# Altium PCB TIDA-010056.PcbDoc (part 1 of 3)
Units mm, origin at the board's own origin, x right, y up, seen from the top; angles counter-clockwise.
Board outline 69 x 70 mm, 4 copper layers (Top Layer, GND, PWR, Bottom Layer), stack 1.605 mm thick; 152 components, 93 nets, 418 pads, 601 vias.
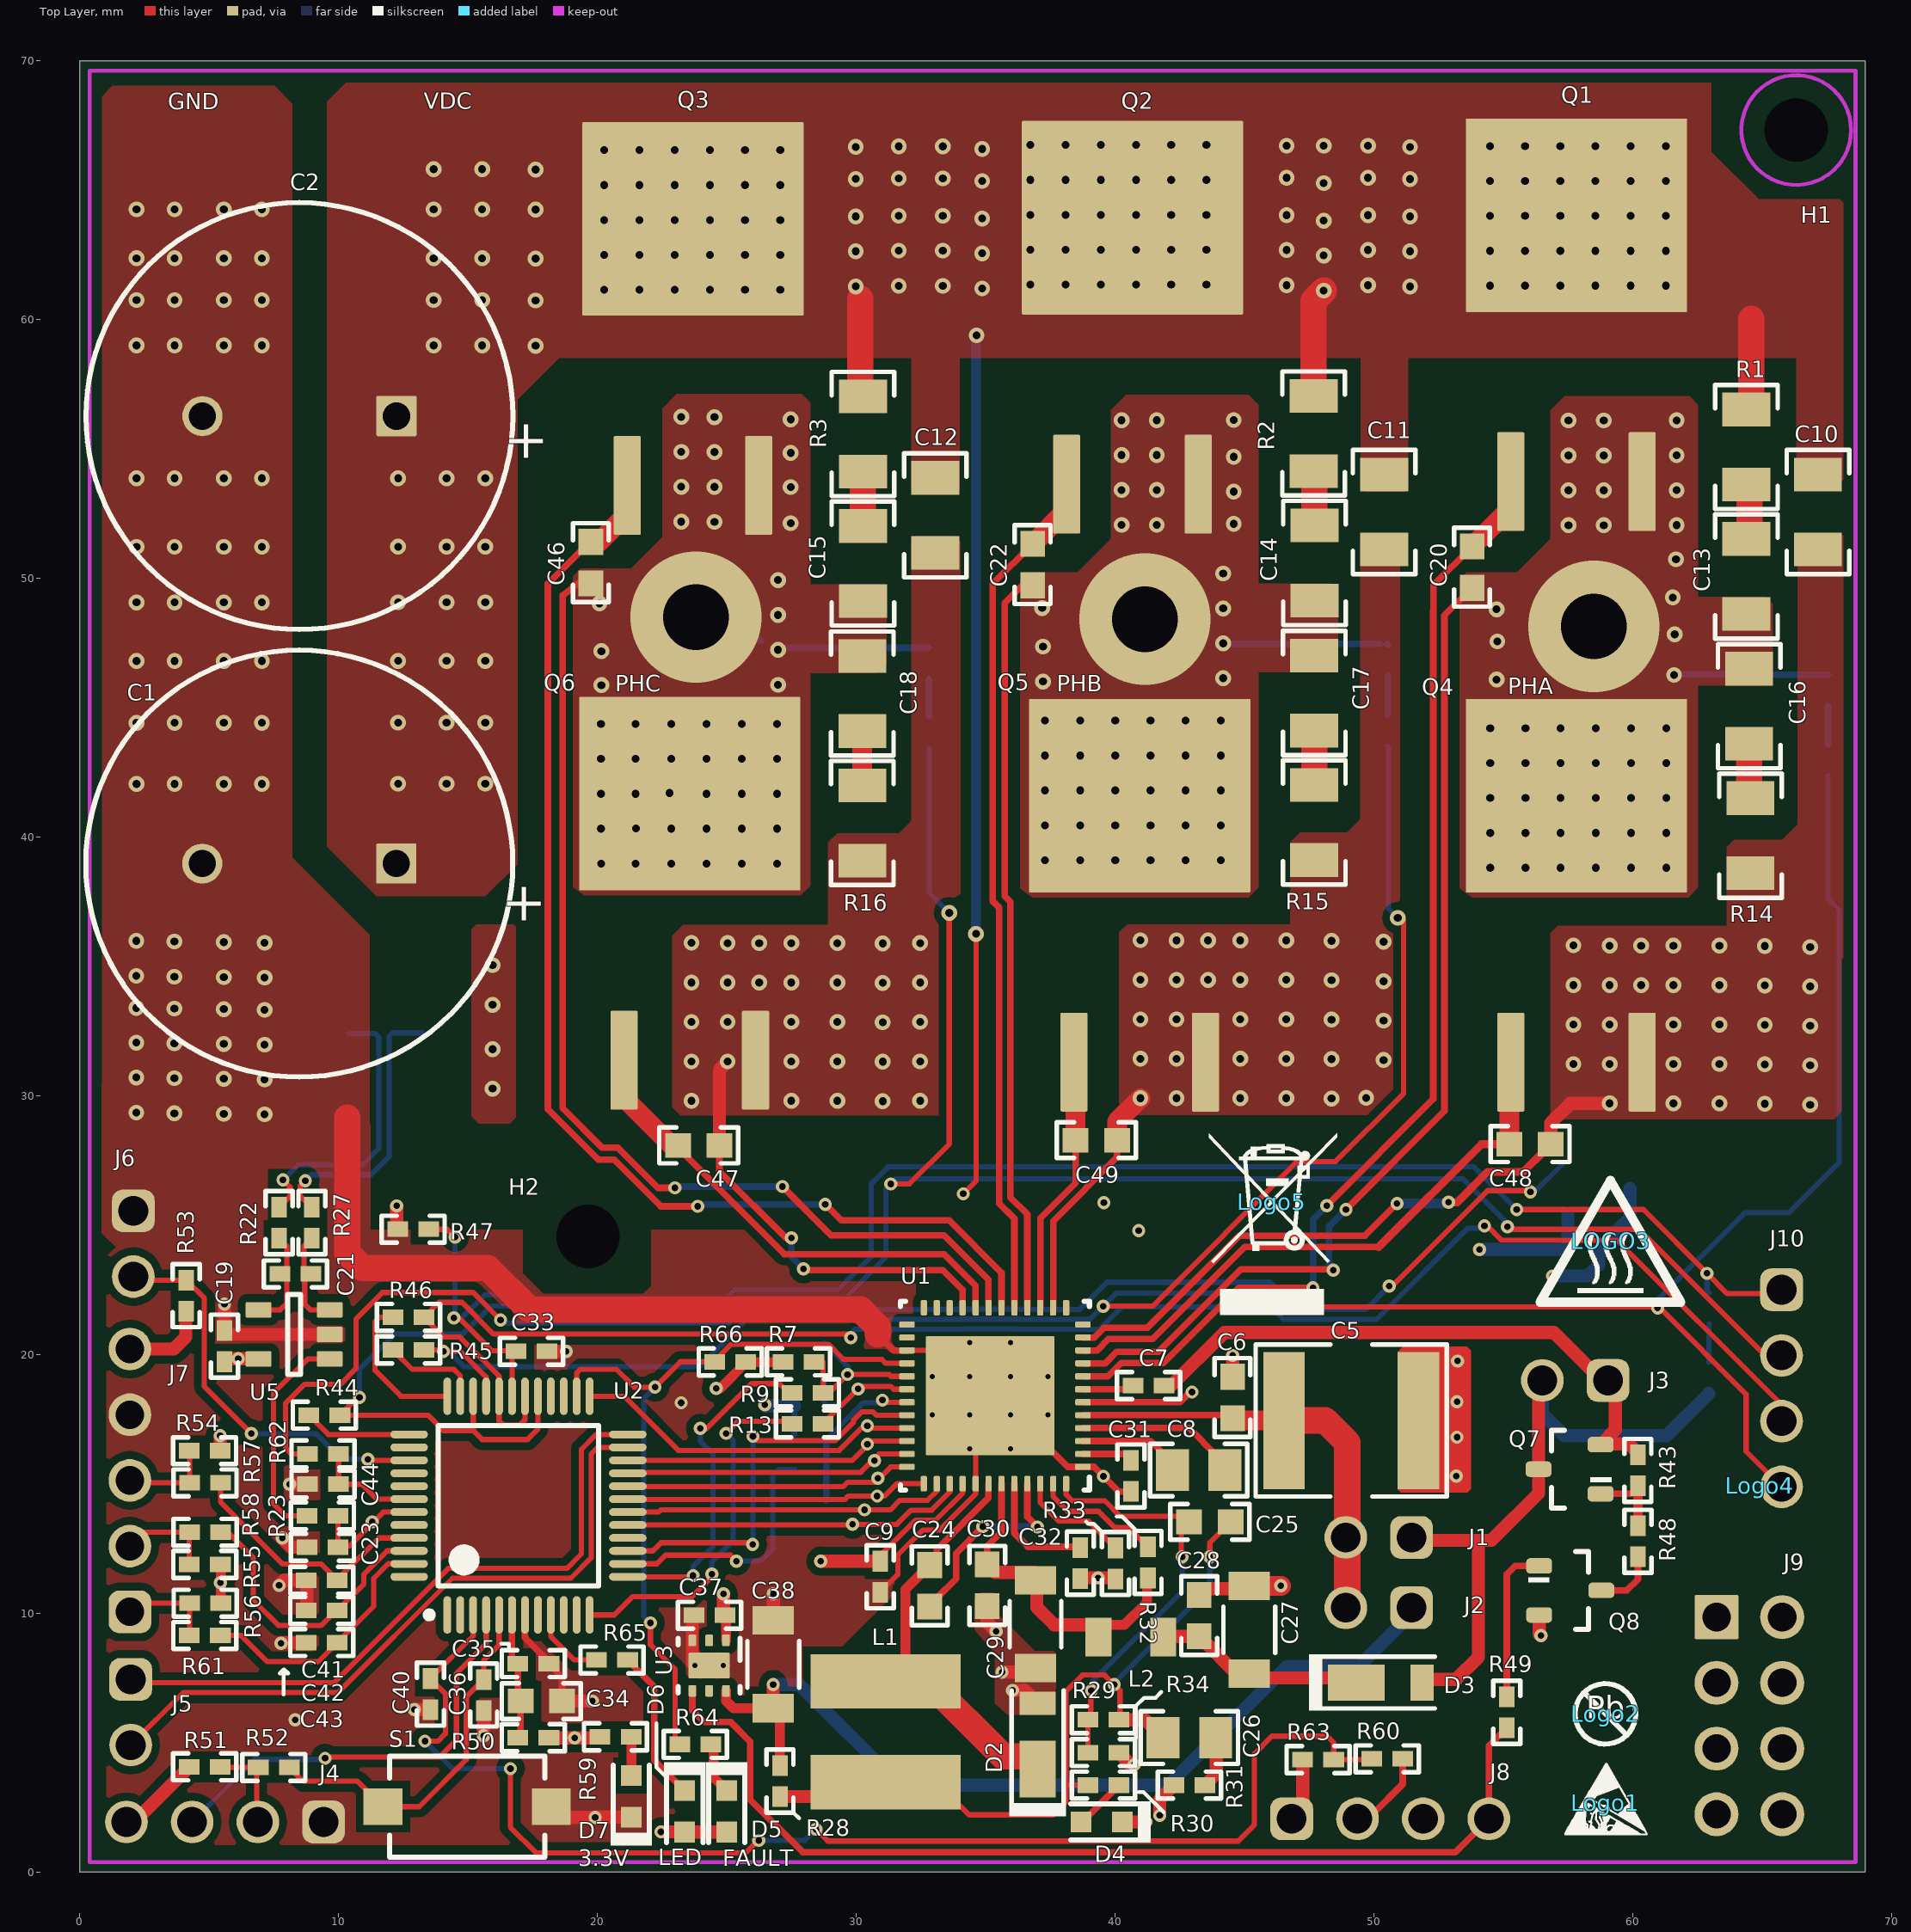
[diagram p0: Top Layer view]
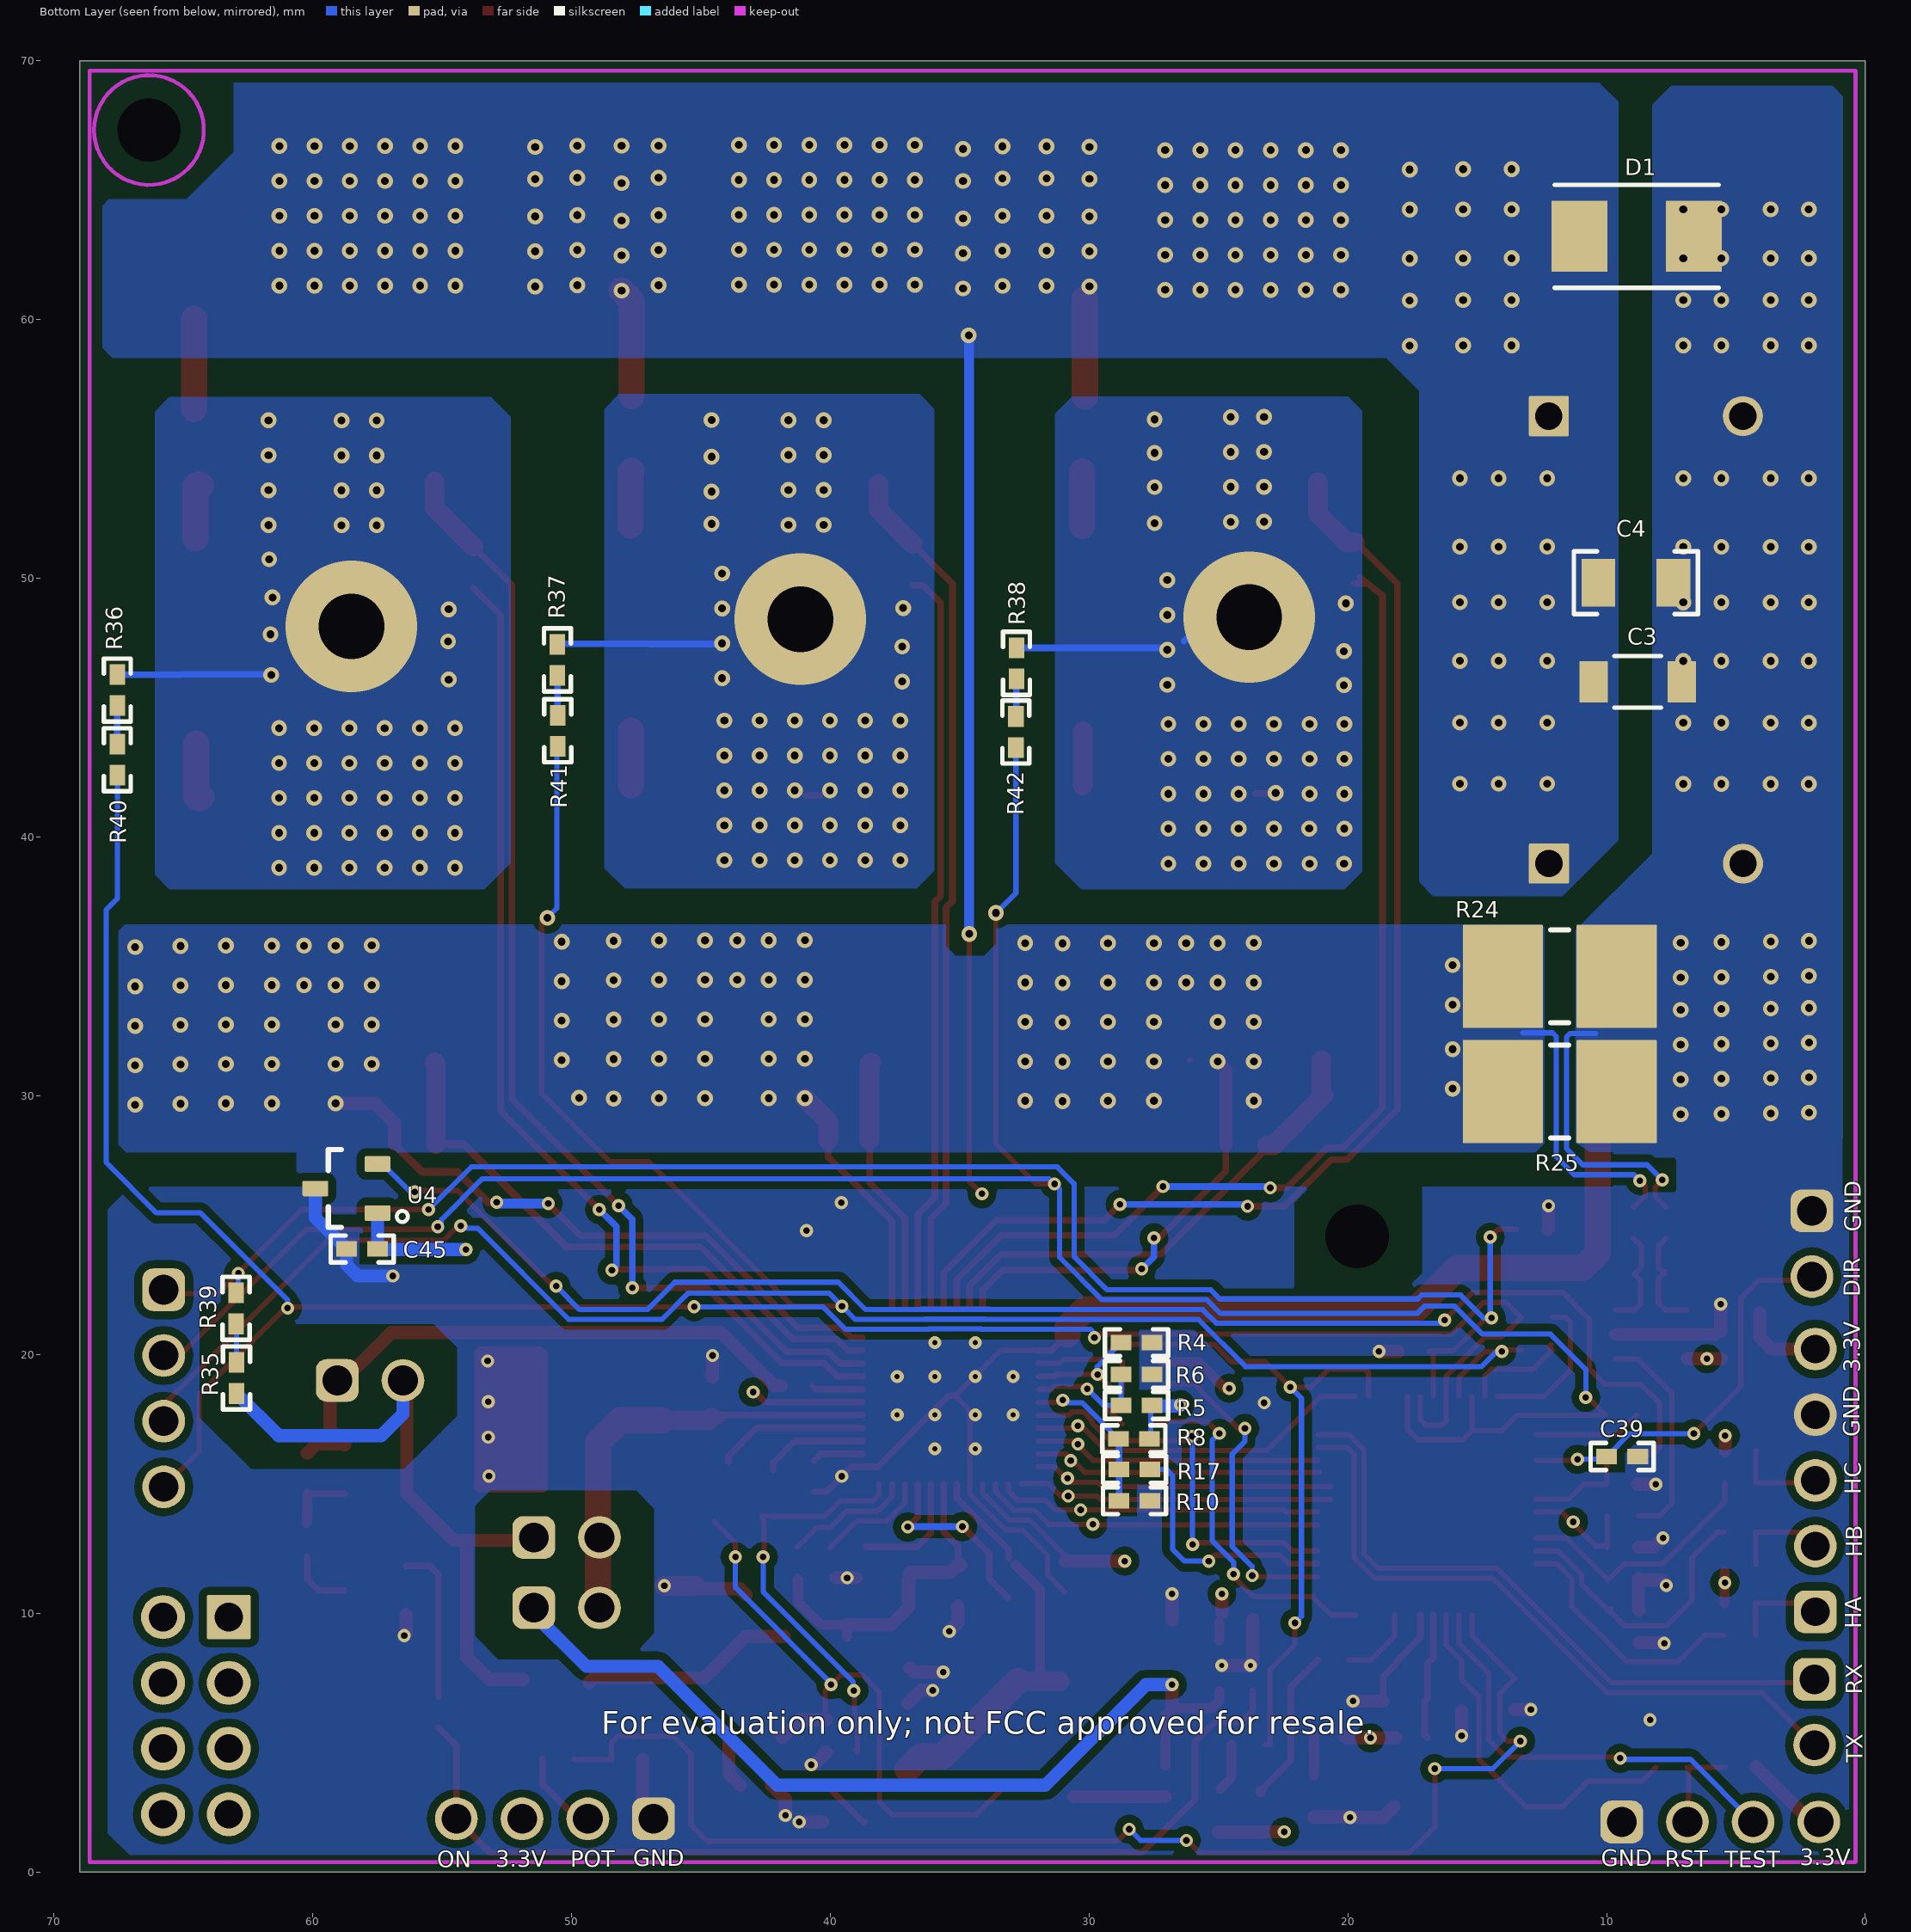
[diagram p1: Bottom Layer view, seen from below]
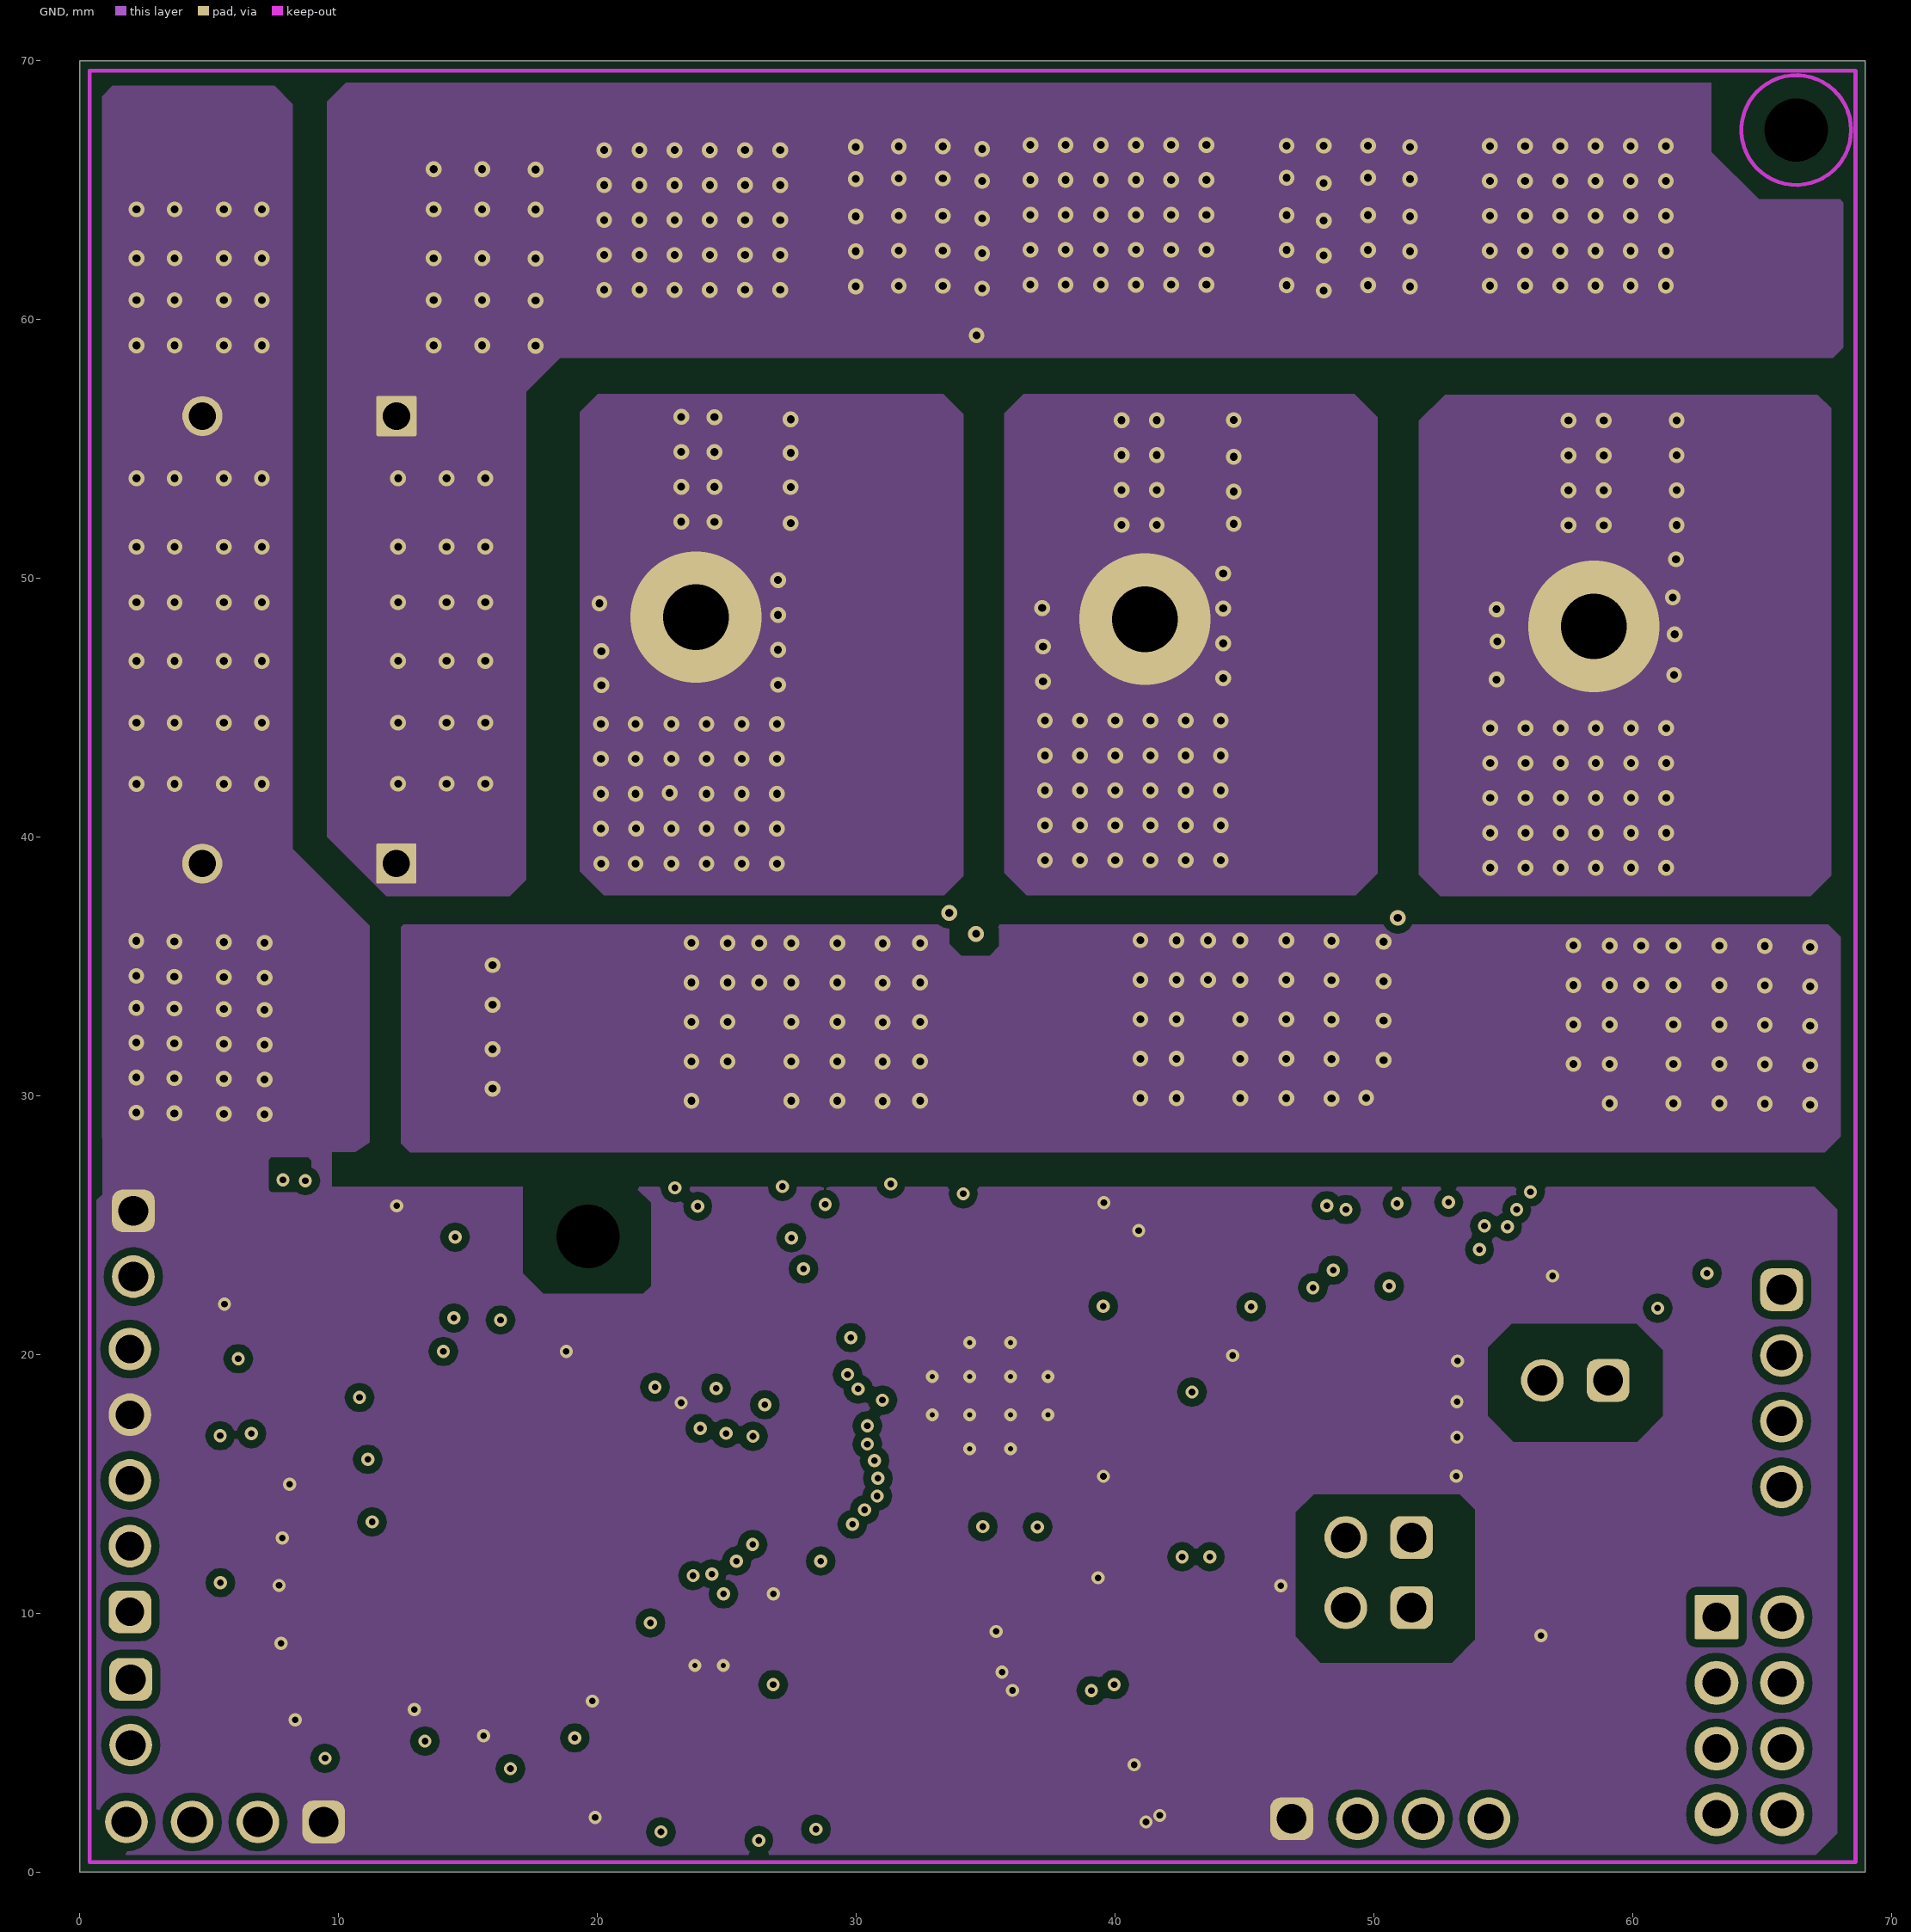
[diagram p2: GND]
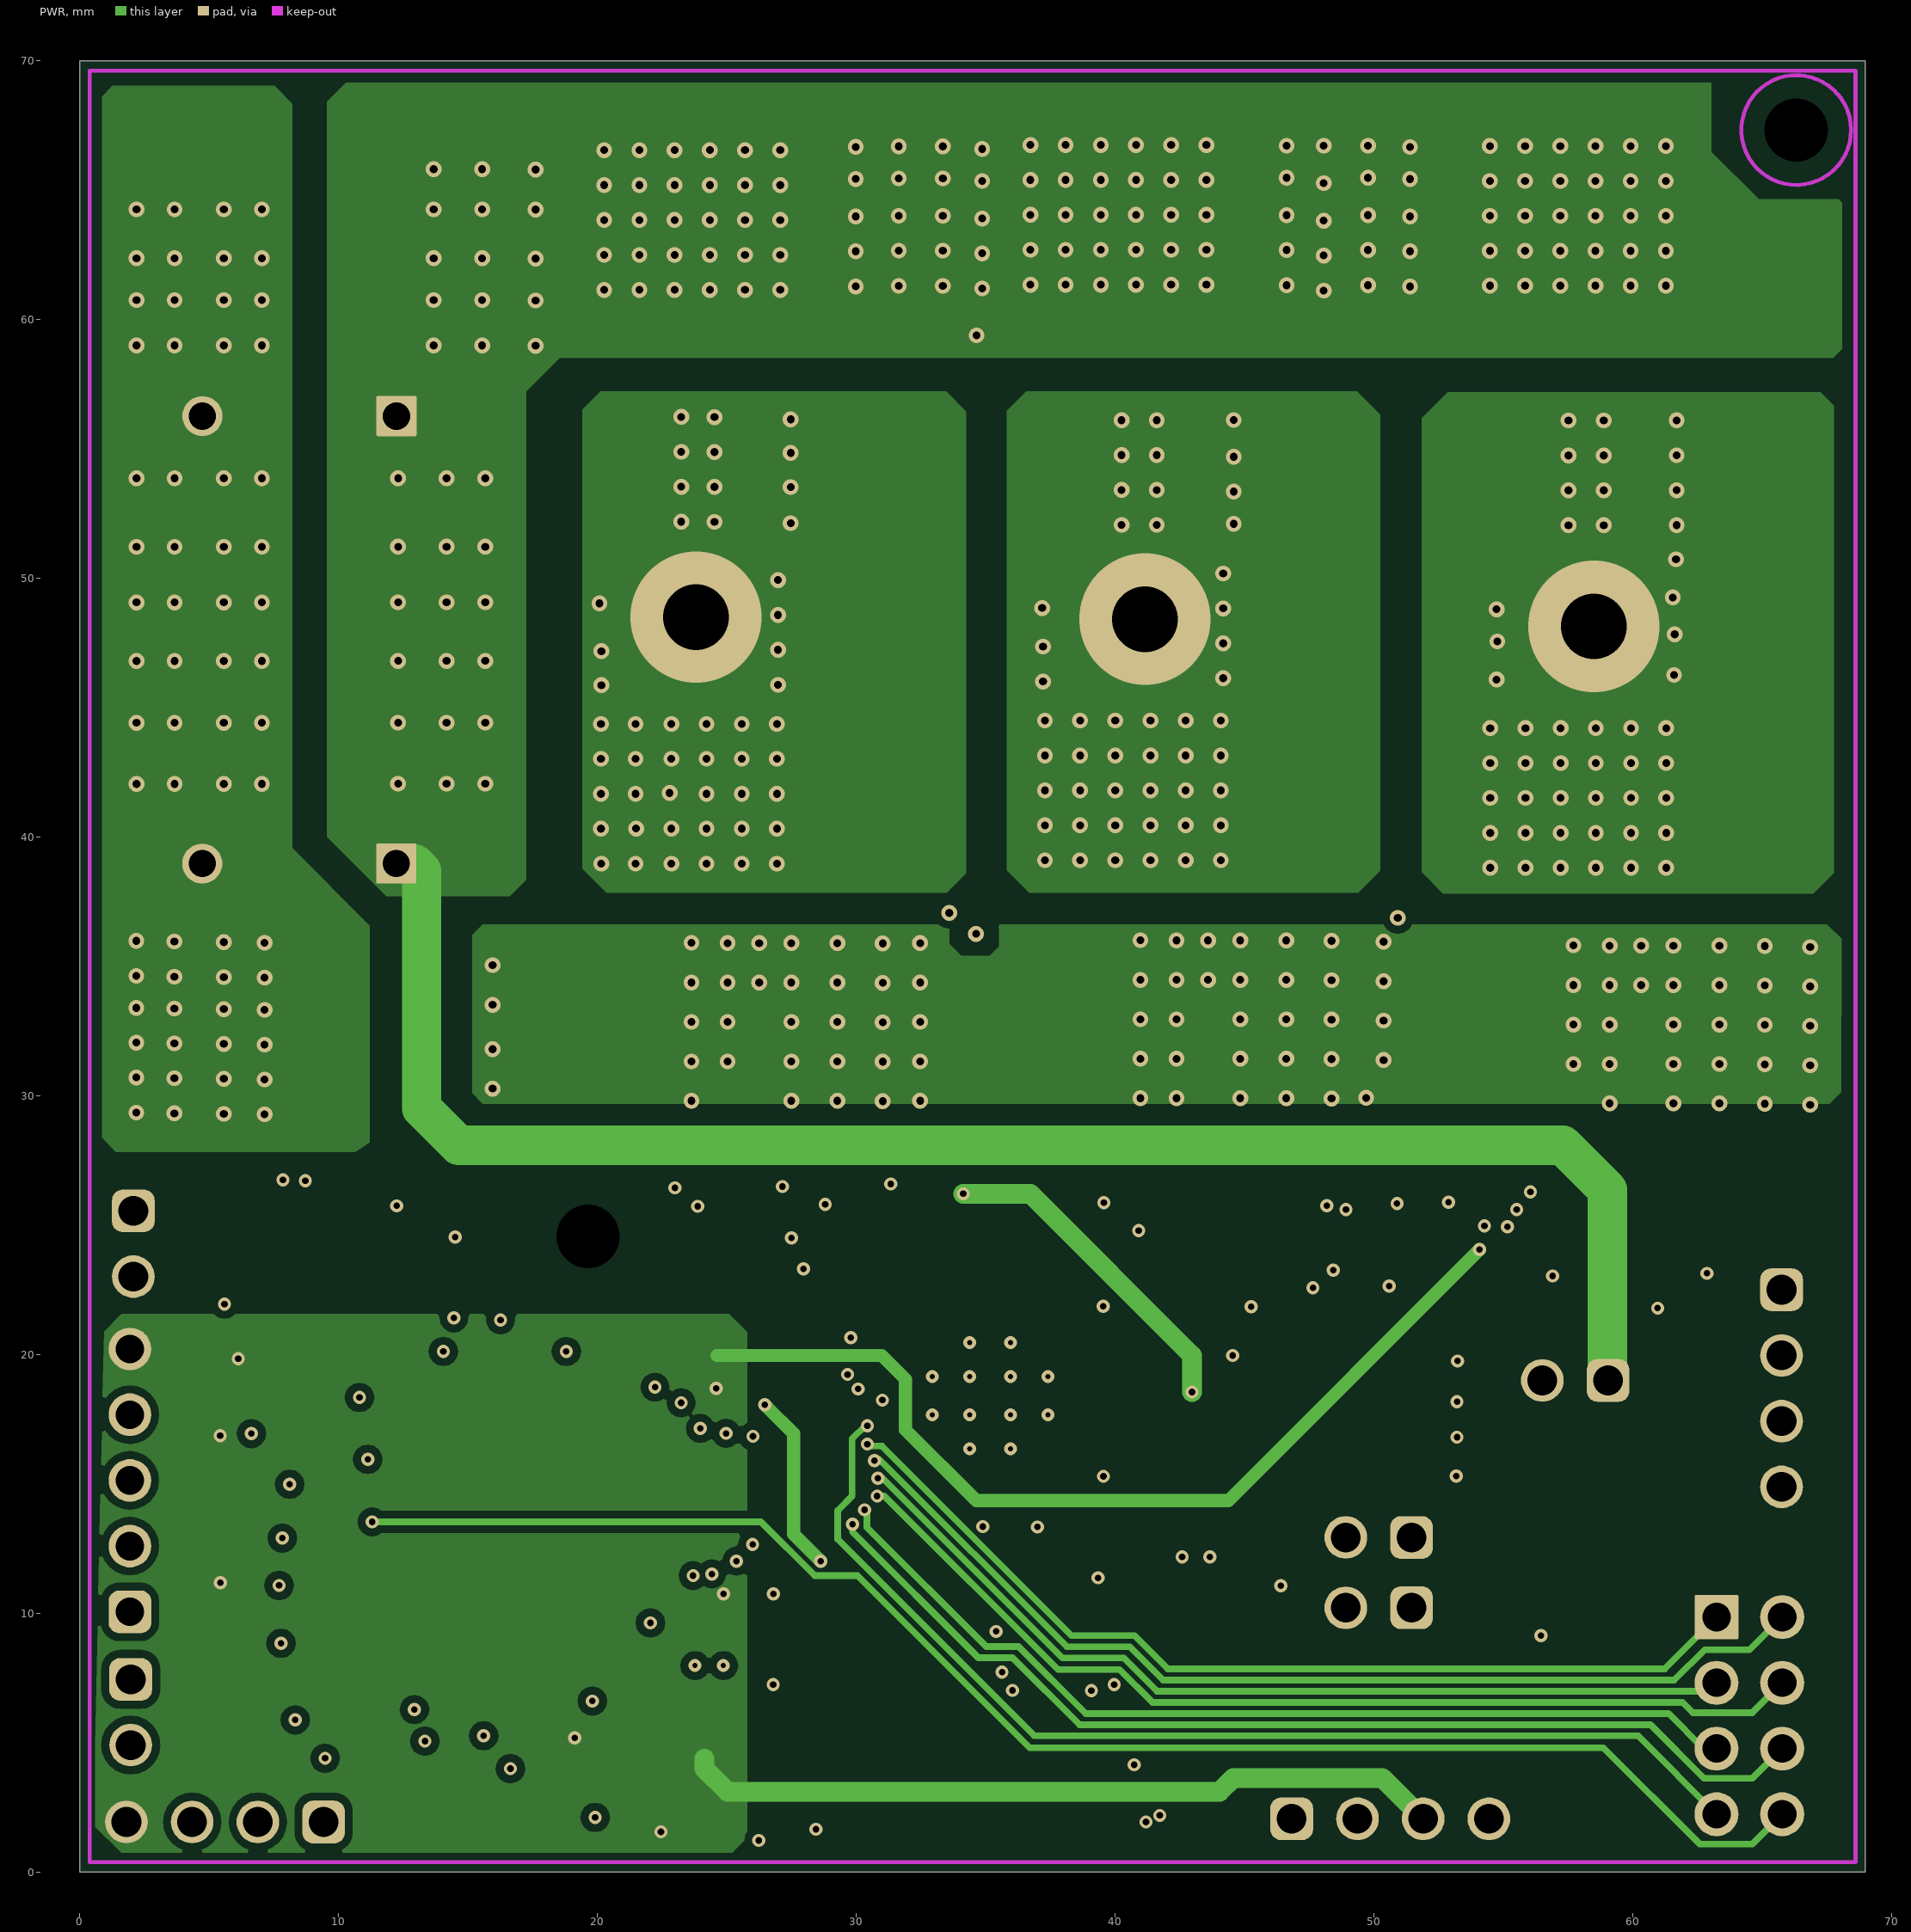
[diagram p3: PWR]

## Layer stack, top to bottom
Top Solder: solder mask 0.0102, Solder Resist, Dk 3.5
Top Layer: signal copper 0.0711
Dielectric1: core 0.508, FR-4 High Tg, Dk 4.2
GND: signal copper 0.0711
Dielectric 3: prepreg 0.3048, FR-4 High Tg, Dk 4.2
PWR: signal copper 0.0711
Dielectric 2: core 0.508, FR-4 High Tg, Dk 4.2
Bottom Layer: signal copper 0.0711
Bottom Solder: solder mask 0.0102, Solder Resist, Dk 3.5

## Board outline
0,0 69,0 69,70.002 0,70.002
